# Altium PCB MiniPC.PcbDoc (part 8 of 23) (continued)
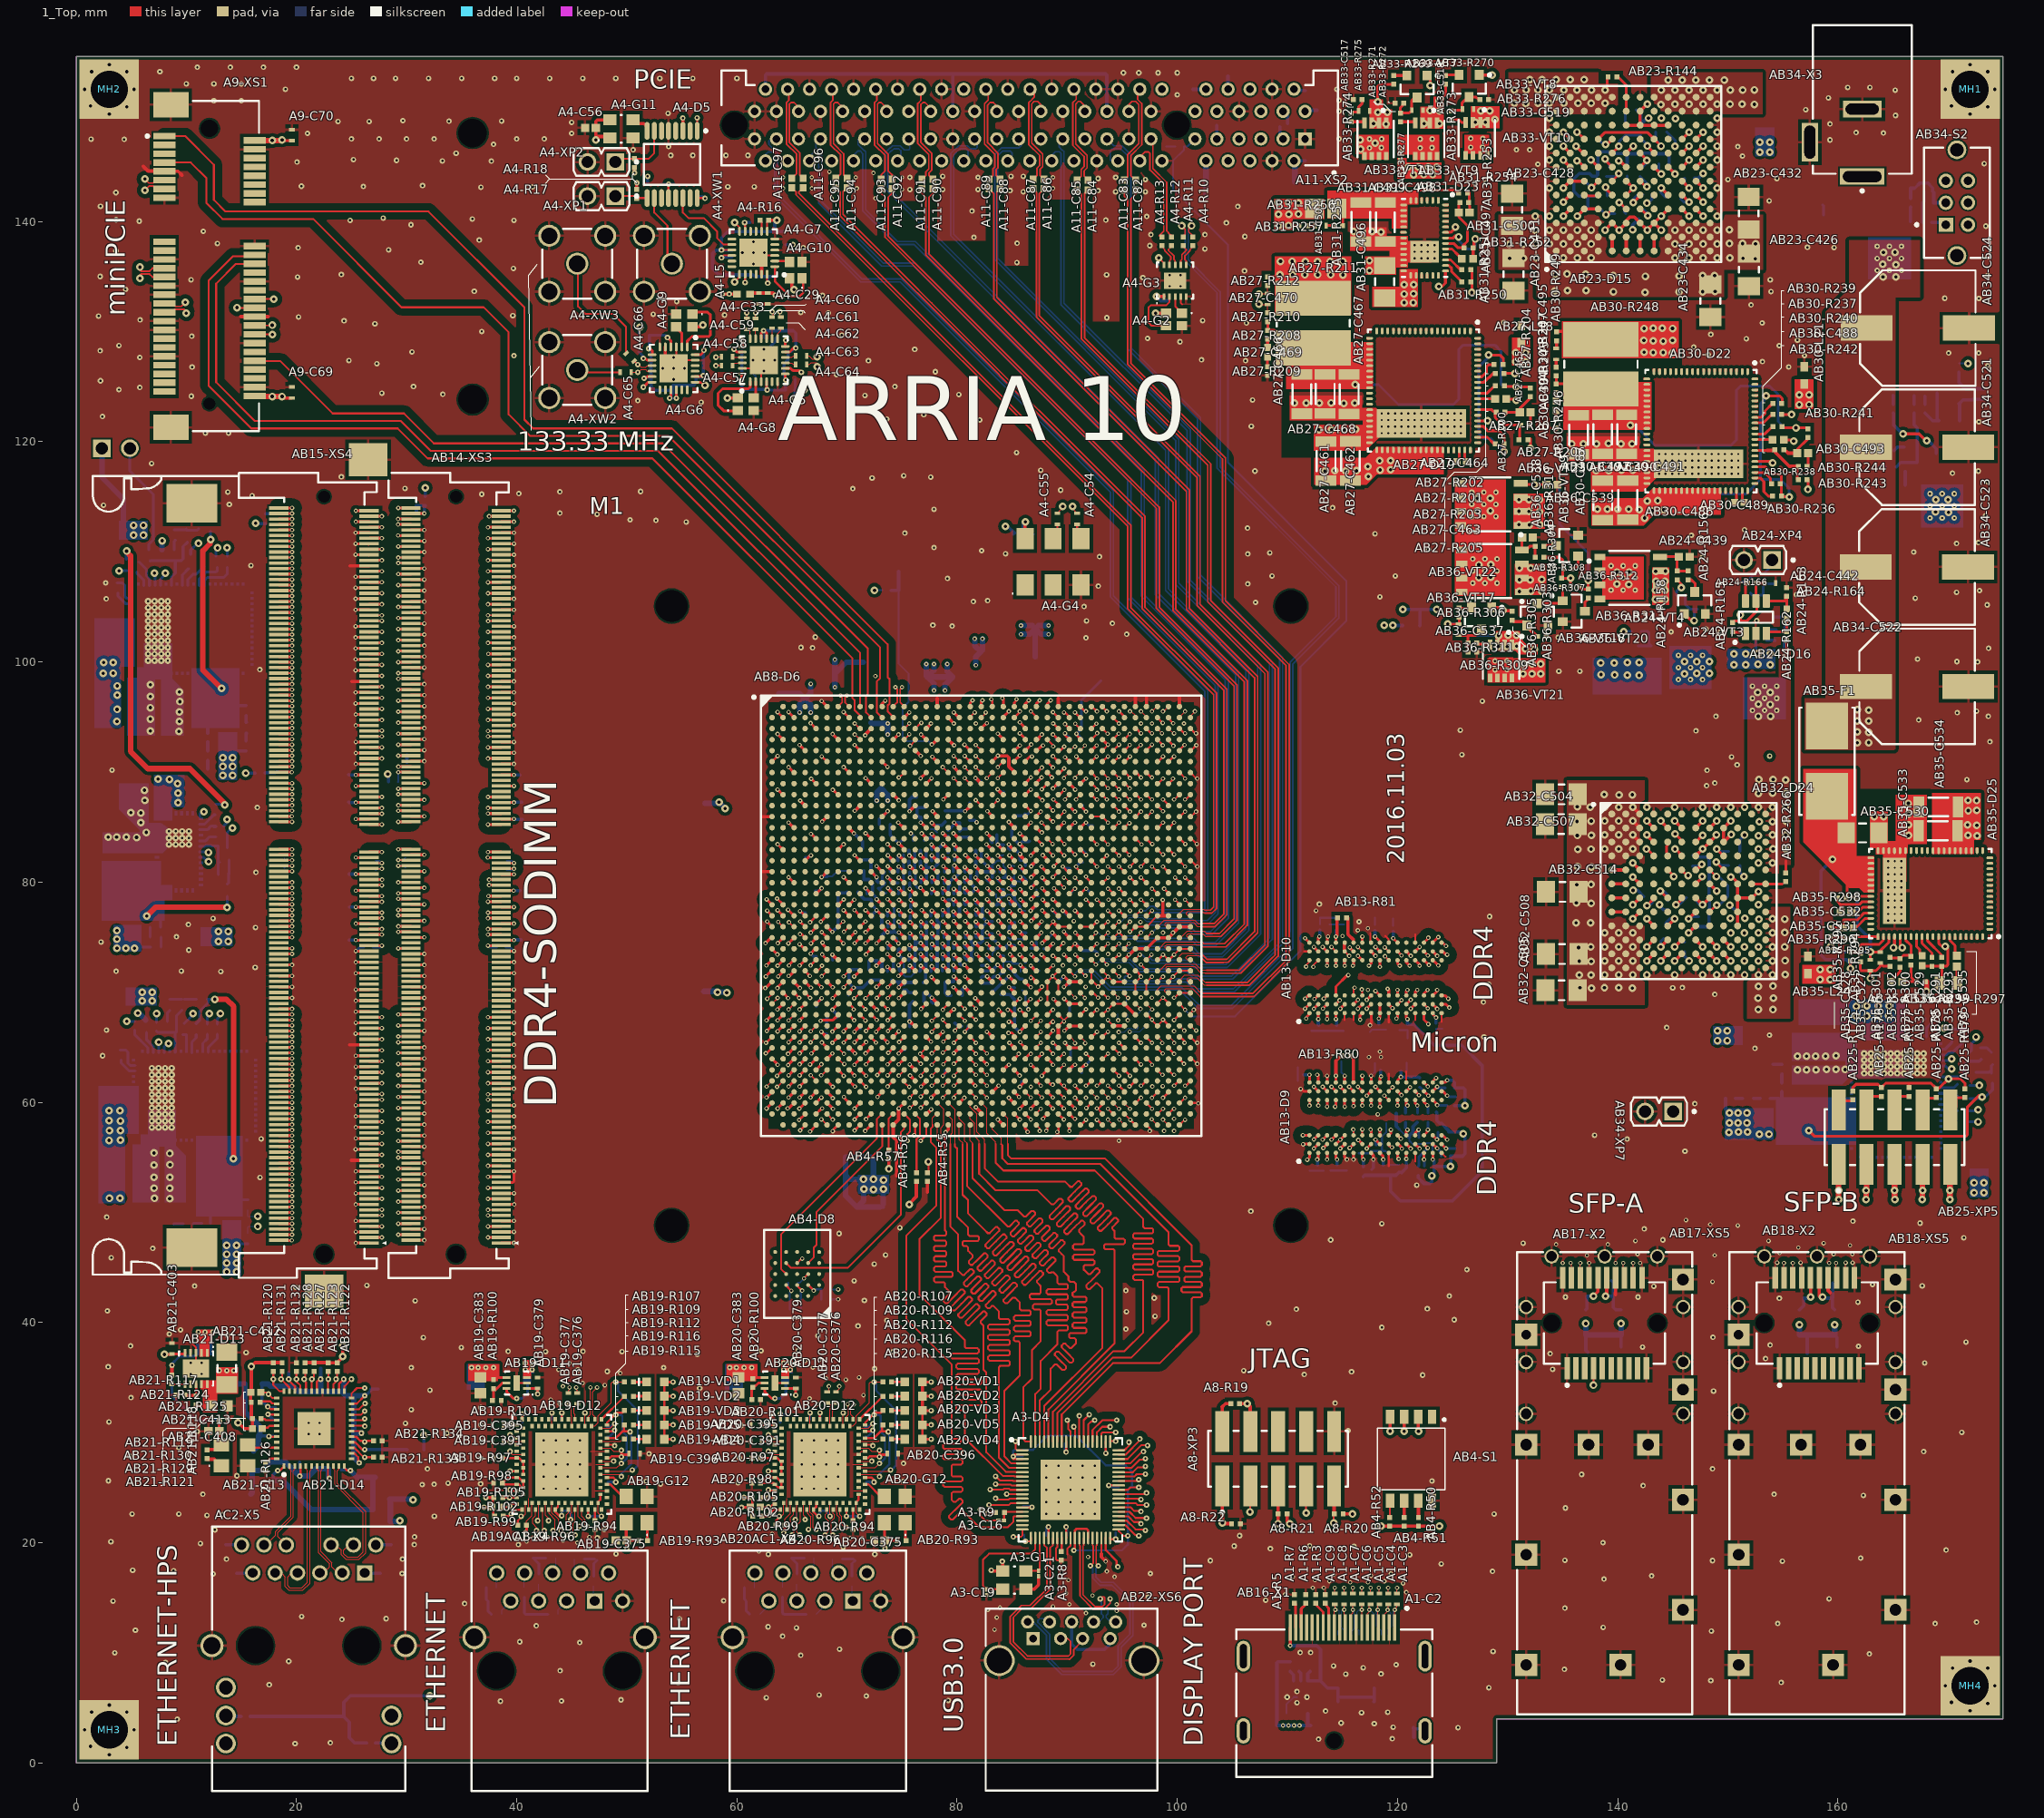
[diagram p0: 1_Top view]
## Nets (pads, with @x,y where several pads share a name; then routed paths per layer and width w, separated by ;. In a path a pad name is that pad's centre, name@x,y a point inside that pad or via, vN(x,y) a via of type N, cw(c..) or ccw(c..) an arc to the next point about the centre after c; other vN are vias at no path point) (continued)
  other v2: 156.47,123.36 157.37,123.36 156.47,124.26 157.37,124.26
AGND4: AB29-C481.1 AB29-D21.26 AB29-D21.32 AB29-L20.2 AB29-R230.1 | length 4.2
  16_Bottom w0.17: AB29-D21.26@11.225,85.75 11.225,86.225 11.4,86.4 v2(11.6,86.4)
  16_Bottom w0.25: AB29-D21.32@11.225,82.75 12.05,82.75 12.2,82.6 12.175,82.575 12.05,82.7 v2(12,82.7) ; AB29-R230.1@13.7,83.1 AB29-C481.1@13.7,84 ; AB29-C481.1@13.71,84.1 13.71,84.51 14.1,84.9 v2(14.2,84.9)
  other v2: 12.9,74.6 13.8,74.6 12.9,75.5 13.8,75.5
AGND5: AB28-C473.1 AB28-D20.53 AB28-L19.2 AB28-R214.2 AB28-R220.1 AB28-XP6.1 | length 12.7
  16_Bottom w0.25: AB28-D20.53@7.65,106.91 7.65,107.51 8.1,107.96 v2(8.1,108.06) ; AB28-C473.1@10.4,109.77 10.4,110.16 11,110.76 v2(11.1,110.76) ; AB28-R214.2@12.7,109.61 12.7,110.36 12.825,110.235 v2(12.825,110.35)
  16_Bottom w0.5: AB28-XP6.1@2.33,119.4 2.33,116.77 4.275,114.825 AB28-L19.2@4.275,112 ; AB28-R220.1@7.8,110.2 v2(7.8,111)
  other v2: 5.2,111.5 6.1,111.5 5.2,112.4 6.1,112.4
AGND6: AB27-C463.1 AB27-D19.61 AB27-L18.2 AB27-R201.2 AB27-R206.2 | length 3.7
  1_Top w0.25: AB27-D19.61@127.265,121.895 v2(128.165,121.895) ; AB27-R201.2@129.715,126.195 v2(130.665,126.195) ; AB27-C463.1@129.875,123.87 130.665,123.87 v2(130.765,123.77) ; v2(132.065,119.37) 132.09,119.395 132.09,120.27
  other v2: 130.74,127.26 131.64,127.26 130.74,128.06 131.64,128.06
AGND7: AB26-C454.1 AB26-D18.53 AB26-L17.2 AB26-R186.2 AB26-R193.1 | length 4.2
  16_Bottom w0.25: AB26-R193.1@7.295,67.25 v2(7.295,68.05) ; AB26-D18.53@8,64.5 7.995,64.505 7.995,65.066 8.12,65.191 8.12,65.275 8.195,65.35 8.22,65.325 v2(8.37,65.325) ; AB26-C454.1@9.795,67.16 10.595,67.96 v2(10.595,68.05) ; AB26-R186.2@11.895,67.1 11.895,67.75 12.095,67.95 v2(12.095,68.05)
  other v2: 6,69.2 6.9,69.2 6,70 6.9,70
AGND8: AB25-C445.1 AB25-D17.53 AB25-L16.2 AB25-R169.2 AB25-R172.1 AB25-XP5.1 AB25-XP5.3 AB25-XP5.5 AB25-XP5.7 AB25-XP5.9 | length 21.3
  1_Top w0.5: AB25-XP5.1@160.055,54.355 160.055,51.885 v2@160.06,51.89 ; v2(160.06,51.18) v2@160.06,51.89 ; v2(160.06,51.985) v2@160.06,51.89 ; v2(162.56,51.18) v2@162.56,51.85 ; v2(162.56,51.98) v2@162.56,51.85 ; AB25-XP5.3@162.595,54.355 162.595,51.815 v2@162.56,51.85 ; AB25-XP5.5@165.135,54.355 v2(165.135,51.98) 165.135,51.205 v2(165.16,51.18) ; v2(167.66,51.18) 167.675,51.195 v2(167.675,51.98) AB25-XP5.7@167.675,54.355 ; v2(170.16,51.18) v2(170.16,51.98) 170.16,54.3 AB25-XP5.9@170.215,54.355
  16_Bottom w0.25: AB25-D17.53@169.185,63.306 169.759,63.306 170.035,63.03 v2(170.335,63.03) ; AB25-R169.2@171.785,59.23 172.635,59.23 v2(172.735,59.33) ; AB25-R172.1@171.935,64.53 172.135,64.73 172.135,65.33 172.735,65.93 v2(172.535,65.93) ; AB25-C445.1@171.945,61.53 v2(172.835,61.53)
  other v2: 172.36,51.78 173.26,51.78 172.36,52.68 173.26,52.68
aux_12V: A11-C71.2 A11-C72.2 A11-C74.2 A11-C75.2 A11-C76.2 A11-C77.2 A11-XS2.A2 A11-XS2.A3 A11-XS2.B1 A11-XS2.B2 A11-XS2.B3 AB34-VT16.5 AB34-VT16.6 AB34-VT16.7 AB34-VT16.8 | length 7.7
  16_Bottom w0.3: A11-C72.2@109.3,148.6 109.3,147.8 A11-XS2.A3@109.6,147.5 ; A11-XS2.B3@109.6,150 110,149.6 A11-C74.2@110,148.9 ; A11-C71.2@110.6,143.675 A11-C71.2@110.675,143.6 ; A11-XS2.A2@110.6,145.5 A11-C76.2@111.6,145.5 ; A11-XS2.B2@110.6,152 110.7,151.9 A11-C77.2@111.6,151.9 ; A11-XS2.B1@111.6,150 111.7,150.1 A11-C75.2@112.7,150.1
  16_Bottom w0.5: A11-XS2.A2@110.6,145.5 110.675,145.425 A11-C71.2@110.675,143.6
  other v2: 170.03,113.59 168.86,113.63 168.89,114.74 170.01,114.74
  other v5: 168.36,113.065 169.46,113.065 170.56,113.065 168.36,114.165 169.46,114.165 170.56,114.165 168.36,115.265 169.46,115.265 170.56,115.265
AUX_N: AB16-X1.17
AUX_P: AB16-X1.15
CLK: AB8-D6.G19 AB21-D14.36 AB21-R120.1 | length 169.7
  1_Top w0.15: v1(80.694,90.439) AB8-D6.G19@81.194,89.939
  1_Top w0.17: AB21-R120.1@17.9,35.55 v3(17.9,34.85) 17.9,34.325 18.45,33.775 AB21-D14.36@18.862,33.775
  7_int6_(sign) w0.1: v3(17.9,34.85) 17.7,35.05 17.7,36.996 18.162,37.458 18.161,37.652 17.498,38.316 17.498,38.511 17.692,38.705 17.886,38.705 18.55,38.041 18.745,38.041 18.939,38.236 18.939,38.43 18.275,39.094 18.275,39.289 18.47,39.483 18.664,39.483 19.328,38.819 19.523,38.819 19.717,39.014 19.717,39.208 19.053,39.872 19.053,40.066 19.248,40.261 19.442,40.261 20.106,39.597 20.3,39.597 21,40.296 21,115.275 24.255,118.53 58.246,118.53 75.4,101.376 75.4,96.1 75.2,95.9 75.2,92.1 76.325,90.975 80.158,90.975 v1(80.694,90.439)
CLK_DIFF1_N: A4-G3.7 A4-R11.1 | length 2
  1_Top w0.15: A4-G3.7@100.3,136.055 100.3,136.43 100.415,136.545 100.415,136.979 100.8,137.364 100.8,137.45 A4-R11.1@100.55,137.7
CLK_DIFF1_P: A4-G3.6 A4-R10.1 | length 2
  1_Top w0.15: A4-G3.6@100.8,136.055 100.8,136.43 100.685,136.545 100.685,136.867 101.15,137.332 101.15,137.45 A4-R10.1@101.4,137.7
CLK_DIFF2_N: A4-G3.9 A4-R13.1 | length 2
  1_Top w0.15: A4-R13.1@98.6,137.7 98.85,137.45 98.85,137.332 99.415,136.767 99.415,136.545 99.3,136.43 A4-G3.9@99.3,136.055
CLK_DIFF2_P: A4-G3.8 A4-R12.1 | length 2
  1_Top w0.15: A4-R12.1@99.45,137.7 99.2,137.45 99.2,137.364 99.685,136.879 99.685,136.545 99.8,136.43 A4-G3.8@99.8,136.055
CLK_ENET_FPGA_N: A4-C57.2 AB8-D6.AG28 | length 81.2
  1_Top w0.1: v3@58.3,126.99 58.39,126.9 A4-C57.2@58.6,126.9 ; AB8-D6.AG28@90.194,69.939 90.261,69.939 v1(90.7,69.5)
  10_int9_(sign) w0.09: v3(58.1,126.9) 58.4,127.2 58.66,127.2 59.36,126.5 59.36,124.511 60.561,123.31 64.006,123.31 68.516,118.8 74.26,118.8 80.65,112.41 80.65,94.25 83.109,91.791 83.109,89.375 83.093,89.375 83.09,89.372 83.09,86.573 83.095,86.568 83.095,78.155 83.48,77.77 87.868,77.77 88.085,77.553 88.085,77.238 88.498,76.825 88.965,76.825 90.05,75.74 90.05,70.93 91.03,69.95 91.03,69.83 v1(90.7,69.5)
CLK_ENET_FPGA_P: A4-C58.2 AB8-D6.AG29 | length 81.7
  1_Top w0.1: v3(58.1,127.669) 58.239,127.669 58.269,127.7 A4-C58.2@58.6,127.7 ; AB8-D6.AG29@91.194,69.939 91.194,69.906 91.604,69.496 v1(91.604,69.478)
  10_int9_(sign) w0.09: v3(58.1,127.669) 58.329,127.44 58.759,127.44 59.6,126.599 59.6,124.61 60.66,123.55 64.105,123.55 68.615,119.04 74.359,119.04 80.89,112.509 80.89,94.349 83.349,91.89 83.349,89.276 83.33,89.257 83.33,88.282 83.335,88.277 83.335,78.254 83.579,78.01 87.967,78.01 88.325,77.652 88.325,77.337 88.597,77.065 89.064,77.065 90.29,75.839 90.29,71.029 91.27,70.049 91.27,69.83 91.604,69.496 v1(91.604,69.478)
CLOCK_I2C_SCL: A4-G5.12 A4-G6.12 A4-G7.12 | length 29.8
  1_Top w0.17: v2(59.8,139.9) 60.245,139.455 A4-G7.12@60.245,139.1
  1_Top w0.25: v3(51.5,124.95) 51.5,125.05 51.6,125.05 51.675,125.125 51.95,125.4 A4-G6.12@52.3,125.4 ; A4-G5.12@64.4,128.65 64.4,129.15 v3(64.45,129.2)
  7_int6_(sign) w0.15: v3(51.5,124.95) 51.8,124.95 52.4,125.55 52.4,127.13 54.51,129.24 57.94,129.24 59.4,130.7 62.4,130.7 ; v2(59.8,139.9) 59.9,139.8 59.9,136.26 62.4,133.76 62.4,130.7 ; v3(64.45,129.2) 62.95,130.7 62.4,130.7
CLOCK_I2C_SDA: A4-G5.19 A4-G6.19 A4-G7.19 | length 14.5
  1_Top w0.17: 56.7,125.4 57,125.1 v2(57.1,125.1) ; v2(59.8,134.5) 60.245,134.945 A4-G7.19@60.245,135.2
  1_Top w0.25: A4-G6.19@56.2,125.4 56.7,125.4 ; v3(60.45,129.2) 60.5,129.15 A4-G5.19@60.5,128.65
  5_int4_(sign) w0.15: v2(59.8,134.5) 60,134.3 60,130.7 60.45,130.25 v3(60.45,129.2)
  7_int6_(sign) w0.15: v2(57.1,125.1) 57.7,125.1 58.9,126.3 58.9,128.7 59.4,129.2 v3(60.45,129.2)
COMP01: AB32-C506.2 AB32-D24.E8 AB32-D24.H8 | length 5.7
  1_Top w0.25: AB32-D24.H8@148.345,77.29 148.345,77.3 148.96,77.915 v2(148.99,77.915) ; AB32-D24.E8@148.345,81.1 148.93,80.515 v2(148.96,80.515)
  16_Bottom w0.25: v2(148.96,80.515) 148.98,80.495 v2@148.99,80.495 ; v2(148.99,77.915) 148.99,77.82 v2@149.165,77.995
  16_Bottom w0.254: v2@148.99,80.495 149.09,80.595 149.99,79.695 149.99,78.695 149.29,77.995 v2@149.165,77.995
COMP02: AB23-C427.2 AB23-C430.2 AB23-D15.E8 AB23-D15.H8 | length 5.8
  1_Top w0.25: AB23-D15.E8@139.495,146.205 140.08,146.79 v2(140.08,146.82) ; v2(142.68,146.85) 142.68,146.82 143.295,146.205 AB23-D15.H8@143.305,146.205
  16_Bottom w0.25: v2(140.08,146.82) 140.1,146.84 v2@140.1,147.025 ; v2@142.6,147.025 142.775,146.85 v2(142.68,146.85)
  16_Bottom w0.254: v2@140.1,147.025 140.1,147.225 AB23-C427.2@140.7,147.825 142.08,147.825 AB23-C430.2@142.1,147.845 142.1,147.525 v2@142.6,147.025
Core_0V9: AB1-C98.2 AB1-C99.2 AB1-C100.2 AB1-C101.2 AB1-C102.2 AB1-C103.2 AB1-C104.2 AB1-C105.2 AB1-C106.2 AB1-C107.2 AB1-C110.2 AB1-C111.2 AB1-C112.2 AB1-C113.2 AB1-C114.2 AB1-C115.2 AB1-C116.2 AB1-C117.2 AB1-C120.2 AB1-C121.2 AB1-C122.2 AB1-C123.2 AB1-C124.2 AB1-C125.2 AB1-C126.2 AB1-C127.2 AB1-C128.2 AB1-C129.2 AB1-C132.2 AB1-C133.2 AB1-C134.2 AB1-C135.2 AB1-C136.2 AB1-C137.2 AB1-C138.2 AB1-C139.2 AB1-C140.2 AB1-C141.2 AB1-C144.2 AB1-C145.2 AB1-C146.2 AB1-C147.2 AB1-C148.2 AB1-C149.2 AB1-C150.2 AB1-C151.2 AB1-C152.2 AB1-C153.2 AB1-C156.2 AB1-C157.2 AB1-C158.2 AB1-C159.2 AB1-C160.2 AB1-C161.2 AB1-C162.2 AB1-C163.2 AB1-C164.2 AB1-C165.2 AB1-C167.2 AB1-C168.2 AB1-C169.2 AB1-C170.2 AB1-C171.2 AB1-C172.2 AB1-C173.2 AB1-C174.2 AB1-C175.2 AB1-C176.2 AB1-C178.2 AB1-C179.2 AB1-C180.2 AB1-C181.2 AB1-C182.2 AB1-C183.2 AB1-C184.2 AB1-C185.2 AB1-C186.2 AB1-C187.2 AB1-C188.2 AB1-C189.2 AB1-C190.2 AB1-C191.2 AB1-C192.2 AB1-C193.2 AB1-C194.2 AB1-C195.2 AB1-C196.2 AB1-C197.2 AB1-C198.2 AB1-C199.2 AB1-C200.2 AB1-C201.2 AB1-C202.2 AB1-C203.2 AB1-C204.2 AB1-C205.2 AB1-C206.2 AB1-C207.2 AB1-C208.2 AB1-C209.2 AB1-C210.2 AB1-C211.2 AB1-C212.2 AB1-C213.2 AB1-C214.2 AB1-C215.2 AB1-C216.2 AB1-C217.2 AB1-C218.2 AB1-C219.2 AB1-C220.2 AB1-C221.2 AB1-C222.2 AB1-C223.2 AB1-C224.2 AB1-C225.2 AB1-C226.2 AB1-C227.2 AB1-C228.2 AB1-C229.2 AB8-D6.AA12 AB8-D6.AA13 AB8-D6.AA14 AB8-D6.AA15 AB8-D6.AA16 AB8-D6.AA20 AB8-D6.AA22 AB8-D6.AA23 AB8-D6.AA24 AB8-D6.AA25 AB8-D6.AB12 AB8-D6.AB15 AB8-D6.AB16 AB8-D6.AB17 AB8-D6.AB19 AB8-D6.AB20 AB8-D6.AB21 AB8-D6.AB22 AB8-D6.AB24 AB8-D6.AB25 AB8-D6.AC12 AB8-D6.AC13 AB8-D6.AC18 AB8-D6.AC23 AB8-D6.AC24 AB8-D6.AC26 AB8-D6.AD13 AB8-D6.AD14 AB8-D6.AD15 AB8-D6.AD16 AB8-D6.AD17 AB8-D6.AD18 AB8-D6.AD19 AB8-D6.AD20 AB8-D6.AD21 AB8-D6.AD22 AB8-D6.AD23 AB8-D6.AD24 AB8-D6.AD25 AB8-D6.AE12 AB8-D6.AE13 AB8-D6.AE14 AB8-D6.AE15 AB8-D6.AE16 AB8-D6.AE17 AB8-D6.AE21 AB8-D6.AE22 AB8-D6.AE25 AB8-D6.AF21 AB8-D6.AF22 AB8-D6.P21 AB8-D6.P23 AB8-D6.R12 AB8-D6.R13 AB8-D6.R14 AB8-D6.R15 AB8-D6.R16 AB8-D6.R17 AB8-D6.R20 AB8-D6.R21 AB8-D6.R22 AB8-D6.R23 AB8-D6.R25 AB8-D6.T12 AB8-D6.T13 AB8-D6.T14 AB8-D6.T15 AB8-D6.T17 AB8-D6.T18 AB8-D6.T19 AB8-D6.T20 AB8-D6.T22 AB8-D6.T23 AB8-D6.T24 AB8-D6.T25 AB8-D6.U12 AB8-D6.U14 AB8-D6.U19 AB8-D6.U24 AB8-D6.U25 AB8-D6.U26 AB8-D6.V12 AB8-D6.V13 AB8-D6.V14 AB8-D6.V16 AB8-D6.V17 AB8-D6.V18 AB8-D6.V19 AB8-D6.V21 AB8-D6.V22 AB8-D6.V23 AB8-D6.V24 AB8-D6.W13 AB8-D6.W14 AB8-D6.W20 AB8-D6.W21 AB8-D6.W23 AB8-D6.W24 AB8-D6.W25 AB8-D6.Y14 AB8-D6.Y16 AB8-D6.Y17 AB8-D6.Y20 AB8-D6.Y25 AB32-C504.2 AB32-C505.2 AB32-C507.2 AB32-C508.2 AB32-C509.2 AB32-C510.2 AB32-C511.1 AB32-C512.2 AB32-C513.1 AB32-C514.2 AB32-C515.1 AB32-C516.1 AB32-D24.A1 AB32-D24.A2 AB32-D24.A3 AB32-D24.B1 AB32-D24.B2 AB32-D24.B3 AB32-D24.C1 AB32-D24.C2 AB32-D24.C3 AB32-D24.D1 AB32-D24.D2 AB32-D24.D3 AB32-D24.J1 AB32-D24.J2 AB32-D24.J3 AB32-D24.K1 AB32-D24.K2 AB32-D24.K3 AB32-D24.L1 AB32-D24.L2 AB32-D24.L3 AB32-D24.M1 AB32-D24.M2 AB32-D24.M3 | length 191.1
  1_Top w0.25: AB8-D6.AB12@74.194,74.939 74.679,74.455 v1(74.679,74.429) ; v1(74.7,81.4) 74.733,81.4 AB8-D6.T13@75.194,80.939
  1_Top w0.3: v1(73.675,80.425) 73.708,80.425 AB8-D6.U12@74.194,79.939 ; v1(73.679,72.304) 73.721,72.304 74.086,71.939 AB8-D6.AE12@74.194,71.939 ; v1@73.68,74.454 AB8-D6.AC12@74.194,73.939 ; v1(73.7,81.425) 74.186,80.939 AB8-D6.T12@74.194,80.939 ; v1(73.704,76.379) 73.771,76.379 74.194,75.956 AB8-D6.AA12@74.194,75.939 ; v1(73.708,82.425) AB8-D6.R12@74.194,81.939 ; v1(73.725,79.45) 73.725,79.408 AB8-D6.V12@74.194,78.939 ; v1(74.679,71.478) 74.733,71.478 AB8-D6.AE13@75.194,71.939 ; v1(74.679,72.454) 74.708,72.454 AB8-D6.AD13@75.194,72.939 ; v1(74.7,76.4) 74.733,76.4 AB8-D6.AA13@75.194,75.939 ; v1(74.704,79.429) AB8-D6.V13@75.194,78.939 ; v1@74.721,73.404 v1(74.679,73.404) 74.679,73.424 AB8-D6.AC13@75.194,73.939 ; v1(74.725,78.375) 74.758,78.375 AB8-D6.W13@75.194,77.939 ; v1(74.729,82.404) AB8-D6.R13@75.194,81.939 ; v1(75.665,82.4) 75.733,82.4 AB8-D6.R14@76.194,81.939 ; v1(75.679,73.354) 75.721,73.354 76.136,72.939 AB8-D6.AD14@76.194,72.939 ; v1(75.7,79.375) 76.136,78.939 AB8-D6.V14@76.194,78.939 ; v1(75.704,72.404) 75.73,72.404 AB8-D6.AE14@76.194,71.939 ; v1(75.704,81.379) 75.754,81.379 AB8-D6.T14@76.194,80.939 ; v1(75.725,76.35) 75.75,76.35 76.161,75.939 AB8-D6.AA14@76.194,75.939 ; v1(75.725,77.4) 75.733,77.4 AB8-D6.Y14@76.194,76.939 ; v1(75.725,80.4) 75.733,80.4 AB8-D6.U14@76.194,79.939 ; v1(75.775,78.375) 75.775,78.358 AB8-D6.W14@76.194,77.939 ; v1(76.675,82.45) 76.683,82.45 AB8-D6.R15@77.194,81.939 ; v1(76.7,73.45) 76.7,73.433 AB8-D6.AD15@77.194,72.939 ; v1(76.704,72.404) 76.73,72.404 AB8-D6.AE15@77.194,71.939 ; v1(76.725,75.4) 77.186,74.939 AB8-D6.AB15@77.194,74.939 ; v1(76.725,76.4) 77.186,75.939 AB8-D6.AA15@77.194,75.939 ; v1(76.729,81.379) 76.746,81.379 77.186,80.939 AB8-D6.T15@77.194,80.939 ; v1(77.675,73.4) 78.136,72.939 AB8-D6.AD16@78.194,72.939 ; v1(77.675,76.4) 78.136,75.939 AB8-D6.AA16@78.194,75.939 ; v1(77.7,72.35) 78.111,71.939 AB8-D6.AE16@78.194,71.939 ; v1(77.7,77.4) 77.733,77.4 AB8-D6.Y16@78.194,76.939 ; v1(77.7,82.425) 78.186,81.939 AB8-D6.R16@78.194,81.939 ; v1(77.725,75.325) 78.111,74.939 AB8-D6.AB16@78.194,74.939 ; v1(77.725,79.375) 78.161,78.939 AB8-D6.V16@78.194,78.939 ; v1(78.7,77.45) 79.194,76.956 AB8-D6.Y17@79.194,76.939 ; v1(78.7,79.425) 78.708,79.425 AB8-D6.V17@79.194,78.939 ; v1(78.7,82.375) 79.136,81.939 AB8-D6.R17@79.194,81.939 ; v1(78.704,73.454) 78.721,73.454 79.194,72.981 AB8-D6.AD17@79.194,72.939 ; v1(78.725,75.475) 78.75,75.475 79.194,75.031 AB8-D6.AB17@79.194,74.939 ; v1(78.729,72.404) 78.746,72.404 79.194,71.956 AB8-D6.AE17@79.194,71.939 ; v1(78.75,81.45) 79.194,81.006 AB8-D6.T17@79.194,80.939 ; v1(79.704,73.379) 79.721,73.379 80.161,72.939 AB8-D6.AD18@80.194,72.939 ; v1(79.704,79.379) 79.746,79.379 80.186,78.939 AB8-D6.V18@80.194,78.939 ; v1(79.75,74.475) 80.194,74.031 AB8-D6.AC18@80.194,73.939 ; v1(79.75,81.5) 80.194,81.056 AB8-D6.T18@80.194,80.939 ; v1(80.679,73.504) 80.696,73.504 81.194,73.006 AB8-D6.AD19@81.194,72.939 ; v1(80.7,79.45) 80.7,79.433 AB8-D6.V19@81.194,78.939 ; v1(80.7,80.4) 81.161,79.939 AB8-D6.U19@81.194,79.939 ; v1(80.7,81.35) 81.111,80.939 AB8-D6.T19@81.194,80.939 ; v1(80.775,75.4) 80.775,75.358 AB8-D6.AB19@81.194,74.939 ; v1(81.65,78.4) 82.111,77.939 AB8-D6.W20@82.194,77.939 ; v1(81.675,75.425) 81.708,75.425 AB8-D6.AB20@82.194,74.939 ; v1(81.675,81.425) 82.161,80.939 AB8-D6.T20@82.194,80.939 ; v1(81.675,82.4) 82.136,81.939 AB8-D6.R20@82.194,81.939 ; v1(81.7,76.4) 82.161,75.939 AB8-D6.AA20@82.194,75.939 ; v1(81.725,77.475) 81.725,77.408 AB8-D6.Y20@82.194,76.939 ; v1(81.75,73.45) 82.194,73.006 AB8-D6.AD20@82.194,72.939 ; v1(82.675,82.4) 82.675,82.375 83.111,81.939 AB8-D6.R21@83.194,81.939 ; v1(82.675,83.425) 82.708,83.425 AB8-D6.P21@83.194,82.939 ; v1(82.7,73.4) 82.733,73.4 AB8-D6.AD21@83.194,72.939 ; v1(82.725,71.425) 82.725,71.408 AB8-D6.AF21@83.194,70.939 ; v1(82.725,72.4) 82.733,72.4 AB8-D6.AE21@83.194,71.939 ; v1(82.725,75.4) 82.733,75.4 AB8-D6.AB21@83.194,74.939 ; v1(82.725,78.425) 82.725,78.375 83.161,77.939 AB8-D6.W21@83.194,77.939 ; v1(82.75,79.425) 82.75,79.383 AB8-D6.V21@83.194,78.939 ; v1(83.679,72.479) 83.721,72.479 84.194,72.006 AB8-D6.AE22@84.194,71.939 ; v1(83.7,71.425) 83.708,71.425 AB8-D6.AF22@84.194,70.939 ; v1(83.7,82.4) 83.733,82.4 AB8-D6.R22@84.194,81.939 ; v1(83.704,79.429) 83.704,79.396 84.161,78.939 AB8-D6.V22@84.194,78.939 ; v1(83.725,73.425) 84.194,72.956 AB8-D6.AD22@84.194,72.939 ; v1(83.725,75.4) 84.186,74.939 AB8-D6.AB22@84.194,74.939 ; v1(83.725,81.375) 84.161,80.939 AB8-D6.T22@84.194,80.939 ; v1(83.75,76.475) 84.194,76.031 AB8-D6.AA22@84.194,75.939 ; v1(84.7,83.425) 84.7,83.375 85.136,82.939 AB8-D6.P23@85.194,82.939 ; v1(84.704,79.429) 84.771,79.429 85.194,79.006 AB8-D6.V23@85.194,78.939 ; v1(84.725,76.475) 85.194,76.006 AB8-D6.AA23@85.194,75.939 ; v1(84.725,78.475) 85.194,78.006 AB8-D6.W23@85.194,77.939 ; v1(84.729,74.429) 84.729,74.404 AB8-D6.AC23@85.194,73.939 ; v1(84.75,81.45) 84.75,81.383 AB8-D6.T23@85.194,80.939 ; v1(84.75,82.425) 85.194,81.981 AB8-D6.R23@85.194,81.939 ; v1(84.8,73.425) 85.194,73.031 AB8-D6.AD23@85.194,72.939 ; v1(85.675,75.475) 85.675,75.458 AB8-D6.AB24@86.194,74.939 ; v1(85.7,73.4) 86.161,72.939 AB8-D6.AD24@86.194,72.939 ; v1(85.7,74.45) 85.7,74.433 AB8-D6.AC24@86.194,73.939 ; v1(85.725,76.425) 86.194,75.956 AB8-D6.AA24@86.194,75.939 ; v1(85.725,79.35) 85.725,79.3 86.086,78.939 AB8-D6.V24@86.194,78.939 ; v1(85.725,80.45) 85.725,80.408 AB8-D6.U24@86.194,79.939 ; v1(85.725,81.4) 85.733,81.4 AB8-D6.T24@86.194,80.939 ; v1(85.754,78.404) 85.771,78.404 86.194,77.981 AB8-D6.W24@86.194,77.939 ; v1(86.675,77.4) 86.675,77.42 AB8-D6.W25@87.194,77.939 ; v1(86.7,72.4) 87.161,71.939 AB8-D6.AE25@87.194,71.939 ; v1(86.725,76.475) 86.73,76.475 AB8-D6.Y25@87.194,76.939 ; v1(86.725,79.475) 86.73,79.475 AB8-D6.U25@87.194,79.939 ; v1(86.725,80.425) 87.194,80.894 AB8-D6.T25@87.194,80.939 ; v1(86.725,81.425) 86.725,81.47 AB8-D6.R25@87.194,81.939 ; v1(86.733,73.4) AB8-D6.AD25@87.194,72.939 ; AB8-D6.AB25@87.194,74.939 87.65,75.395 v1(87.65,75.4) ; AB8-D6.AA25@87.194,75.939 87.194,75.944 v1(87.675,76.425) ; v1(87.733,80.4) AB8-D6.U26@88.194,79.939 ; AB8-D6.AC26@88.194,73.939 88.655,74.4 v1(88.7,74.4) ; v2(141.36,84.275) AB32-D24.C3@141.995,83.64 ; v2(141.36,85.545) AB32-D24.B3@141.995,84.91 ; v2(141.36,86.815) AB32-D24.A3@141.995,86.18 ; AB32-D24.D3@141.815,82.37 AB32-D24.D3@141.995,82.37
  16_Bottom w0.17: v1(82.675,82.4) 82.915,82.16 AB1-C134.2@83.2,82.16 ; v1(83.7,82.4) 84.14,82.4 AB1-C117.2@84.2,82.46 ; v1(84.75,81.45) 85.19,81.45 AB1-C160.2@85.2,81.46
  16_Bottom w0.3: AB1-C167.2@73,50.475 AB1-C167.2@73.3,50.475 AB1-C167.2@73.3,50.75 ; v1(73.675,80.425) 73.745,80.425 73.985,80.185 AB1-C210.2@73.985,79.95 74.01,79.925 AB1-C211.2@74.615,79.925 ; v1(73.679,72.304) 73.685,72.297 AB1-C152.2@73.685,71.875 ; v1(73.679,74.454) 73.71,74.422 AB1-C98.2@73.71,73.95 ; v1(73.7,81.425) 73.935,81.19 AB1-C197.2@73.935,80.95 ; v1(73.704,76.379) 73.71,76.372 AB1-C206.2@73.71,75.925 ; v1@73.708,82.492 v1(73.708,82.425) 73.708,82.356 73.96,82.104 AB1-C184.2@73.96,81.925 ; v1(73.725,79.45) 73.845,79.45 74.06,79.235 AB1-C200.2@74.06,78.975 ; AB1-C224.2@74.485,74.908 74.485,74.622 v1(74.679,74.429) ; AB1-C185.2@74.615,81.925 74.615,82.29 v1(74.729,82.404) ; AB1-C207.2@74.64,80.925 74.64,81.34 v1(74.7,81.4) ; AB1-C182.2@74.665,78.925 74.704,78.964 v1(74.704,79.429) ; v1(74.679,72.454) 74.75,72.382 74.75,71.96 AB1-C204.2@74.785,71.925 ; v1(74.7,76.4) 74.785,76.315 AB1-C183.2@74.785,75.95 ; AB1-C203.2@74.735,73.95 74.679,73.894 v1(74.679,73.404) 74.997,73.085 AB1-C151.2@75.15,73.085 ; AB1-C153.2@75.59,71.875 75.67,71.955 75.67,72.37 v1(75.704,72.404) ; AB1-C172.2@75.615,72.9 75.679,72.964 v1(75.679,73.354) ; AB1-C209.2@75.64,81.9 75.64,81.443 v1(75.704,81.379) ; AB1-C201.2@75.64,82.9 75.64,82.425 v1(75.665,82.4) ; AB1-C212.2@75.69,79.9 75.69,79.385 v1(75.7,79.375) ; AB1-C164.2@75.69,80.9 75.69,80.435 v1(75.725,80.4) ; v1(75.725,76.35) 75.74,76.365 AB1-C223.2@75.74,76.9 ; v1(75.725,77.4) 75.79,77.465 AB1-C214.2@75.79,77.925 ; AB1-C213.2@75.74,78.9 75.74,78.41 v1(75.775,78.375) ; AB1-C191.2@76.615,71.9 76.695,71.98 76.695,72.395 v1(76.704,72.404) ; AB1-C173.2@76.64,72.925 76.7,72.985 v1(76.7,73.45) ; AB1-C165.2@76.665,81.9 76.665,81.443 v1(76.729,81.379) ; AB1-C222.2@76.665,82.9 76.665,82.46 v1(76.675,82.45) ; AB1-C171.2@76.715,74.925 76.725,74.935 v1(76.725,75.4) ; v1(76.725,76.4) 76.725,75.965 AB1-C169.2@76.74,75.95 ; AB1-C216.2@77.64,71.9 77.64,72.29 v1(77.7,72.35) ; AB1-C202.2@77.64,76.925 77.64,77.34 v1(77.7,77.4) ; AB1-C192.2@77.665,72.925 77.665,73.39 v1(77.675,73.4) ; AB1-C163.2@77.665,78.95 77.725,79.01 v1(77.725,79.375) ; v1(77.675,76.4) 77.84,76.235 AB1-C150.2@77.84,75.95 ; v1(77.7,82.425) 77.7,81.94 AB1-C208.2@77.715,81.925 ; v1(77.725,75.325) 77.74,75.31 AB1-C205.2@77.74,74.9 ; AB1-C217.2@78.665,71.95 78.665,72.34 v1(78.729,72.404) ; AB1-C170.2@78.665,76.925 78.7,76.96 v1(78.7,77.45) ; AB1-C174.2@78.69,72.95 78.69,73.44 v1(78.704,73.454) ; AB1-C141.2@78.69,78.95 78.69,79.415 v1(78.7,79.425) ; v1(78.7,82.375) 78.91,82.165 AB1-C162.2@79.175,82.165 ; v1(78.725,75.475) 78.815,75.385 AB1-C186.2@78.815,75 ; v1(78.75,81.45) 78.86,81.34 AB1-C198.2@78.86,80.925 ; AB1-C199.2@79.665,80.95 79.665,81.415 v1(79.75,81.5) ; v1(79.704,73.379) 79.715,73.367 AB1-C218.2@79.715,72.95 ; v1(79.704,79.379) 79.715,79.368 AB1-C148.2@79.715,78.95 ; AB1-C104.2@79.715,73.975 79.715,74.44 v1(79.75,74.475) ; v1(80.679,73.504) 80.679,73.161 AB1-C221.2@80.865,72.975 ; v1(80.7,79.45) 80.7,79.04 AB1-C122.2@80.765,78.975 ; v1(80.7,80.4) 80.7,79.99 AB1-C113.2@80.715,79.975 ; v1(80.7,81.35) 80.7,80.94 AB1-C115.2@80.715,80.925 ; AB1-C175.2@80.765,74.95 80.775,74.96 v1(80.775,75.4) ; v1(81.65,78.4) 81.7,78.35 81.7,78.065 AB1-C161.2@81.79,77.975 ; v1(81.675,75.425) 81.725,75.375 81.725,75.04 AB1-C215.2@81.79,74.975 ; v1(81.675,81.425) 81.69,81.44 AB1-C138.2@81.69,81.9 ; v1(81.675,82.4) 81.69,82.415 AB1-C140.2@81.69,82.9 ; v1(81.7,76.4) 81.7,75.99 AB1-C105.2@81.765,75.925 ; v1(81.725,77.475) 81.725,77.015 AB1-C190.2@81.765,76.975 ; AB1-C219.2@82.2,72.435 82.69,72.435 v1(82.725,72.4) ; AB1-C158.2@82.225,71.36 82.29,71.425 v1(82.725,71.425) ; v1(82.675,83.425) 82.675,83.411 82.996,83.09 AB1-C147.2@83.175,83.09 ; v1(82.7,73.4) 82.7,73.161 83.021,72.84 AB1-C103.2@83.2,72.84 ; v1(82.725,75.4) 82.84,75.285 AB1-C193.2@83.2,75.285 ; v1(82.725,78.425) 83.065,78.085 AB1-C123.2@83.065,77.925 ; v1(82.75,79.425) 83.015,79.16 AB1-C125.2@83.015,78.9 ; AB1-C149.2@83.225,71.335 83.315,71.425 v1(83.7,71.425) 84.04,71.765 AB1-C102.2@84.2,71.765 ; AB1-C100.2@83.335,71.925 83.335,72.134 v1(83.679,72.479) ; v1@83.7,82.361 v1(83.7,82.4) ; v1(83.704,79.429) 83.848,79.285 AB1-C129.2@84.2,79.285 ; v1(83.725,73.425) 83.865,73.285 AB1-C226.2@84.2,73.285 ; v1(83.725,75.4) 84.115,75.01 AB1-C196.2@84.115,74.95 ; v1(83.725,81.375) 83.91,81.19 AB1-C137.2@83.91,80.925 ; v1(83.75,76.475) 84.19,76.035 AB1-C220.2@84.19,75.95 ; AB1-C99.2@84.46,73.975 84.46,74.159 v1(84.729,74.429) 84.943,74.215 AB1-C228.2@85.2,74.215 ; v1(84.7,83.425) 84.7,83.04 AB1-C112.2@84.815,82.925 ; v1(84.725,78.475) 84.8,78.4 84.8,78.035 AB1-C135.2@84.86,77.975 ; v1(84.75,82.425) 85.1,82.075 AB1-C114.2@85.14,82.075 ; v1(84.8,73.425) 84.805,73.425 85.12,73.11 AB1-C101.2@85.225,73.11 ; AB1-C127.2@85.2,79.185 85.033,79.185 84.789,79.429 v1(84.704,79.429) 84.965,79.69 AB1-C116.2@85.225,79.69 ; v1(85.675,75.475) 85.765,75.385 AB1-C180.2@86.225,75.385 ; v1(85.7,73.4) 86.2,72.9 AB1-C225.2@86.2,72.735 ; v1(85.7,74.45) 86.175,73.975 AB1-C229.2@86.19,73.975 ; v1(85.725,79.35) 86.075,79 AB1-C124.2@86.14,79 ; v1(85.725,80.45) 85.975,80.45 86.26,80.165 AB1-C159.2@86.26,79.975 ; v1(85.725,81.4) 85.725,81.286 86.021,80.99 AB1-C146.2@86.2,80.99 ; v1(85.754,78.404) 85.771,78.404 86.175,78 AB1-C128.2@86.175,77.91 ; v1(86.675,77.4) 86.74,77.4 AB1-C110.2@87.29,77.95 ; v1(86.7,72.4) 87.15,71.95 AB1-C187.2@87.39,71.95 ; v1(86.725,76.475) 87.175,76.925 AB1-C181.2@87.29,76.925 ; v1(86.725,79.475) 86.725,79.539 87.021,79.835 AB1-C126.2@87.2,79.835 ; v1(86.725,80.425) 87.25,80.95 AB1-C111.2@87.265,80.95 ; v1(86.725,81.425) 87.215,81.915 AB1-C139.2@87.215,81.95 ; v1(86.733,73.4) 87.233,72.9 AB1-C227.2@87.39,72.9 ; AB1-C194.2@87.365,74.925 87.365,75.115 v1(87.65,75.4) ; AB1-C176.2@87.39,75.925 87.39,76.14 v1(87.675,76.425) ; v1(87.733,80.4) 87.733,80.352 AB1-C136.2@88.2,79.885 ; AB1-C195.2@87.91,73.95 88.25,73.95 v1(88.7,74.4)
  16_Bottom w0.5: AB1-C178.2@63.825,97.13 65.695,97.13 AB1-C107.2@66.175,96.65 ; v1(65.7,95.4) 65.7,96.175 AB1-C107.2@66.175,96.65 ; v1(66.7,95.4) 66.7,96.125 AB1-C107.2@66.175,96.65 ; v1(66.7,98) 66.7,97.175 AB1-C107.2@66.175,96.65 ; v1(68.9,97.7) AB1-C145.2@68.9,98.925 ; v1(68.9,100.2) AB1-C145.2@68.9,98.925 ; AB1-C189.2@71.46,99.975 69.95,99.975 AB1-C145.2@68.9,98.925 ; v2(71.5,53) 70.225,53 AB1-C179.2@69.85,53.375 ; v2(71.525,52.1) 71.525,51.1 AB1-C156.2@70.9,50.475 ; AB1-C133.2@72.194,94.464 72.258,94.4 v1(73.7,94.4) v1(73.7,93.4) ; v2(72.4,53) 72.4,54.8 72.175,55.025 69.85,55.025 AB1-C179.2@69.85,53.375 ; v1(72.7,87.4) 72.7,88.125 AB1-C121.2@73.1,88.525 73.7,87.925 v1(73.7,87.4) ; AB1-C167.2@73,50.475 AB1-C156.2@70.9,50.475 ; AB1-C167.2@73.3,50.75 v2(73.3,52.1) ; v1(77.2,99.8) 77.2,98.725 AB1-C168.2@77.3,98.625 ; v1(77.9,97.4) 77.9,98.025 AB1-C168.2@77.3,98.625 ; v1(77.9,99.8) 77.9,99.225 AB1-C168.2@77.3,98.625 ; v1(78.9,97.4) 78.9,97.925 AB1-C157.2@79.6,98.625 ; v1(79.1,99.8) 79.1,99.125 AB1-C157.2@79.6,98.625 ; v1(81.6,102.1) 81.6,101.475 AB1-C120.2@82.15,100.925 ; v1(81.7,99.7) 81.7,100.475 AB1-C120.2@82.15,100.925 ; v1(82.3,102.1) 82.3,101.075 AB1-C120.2@82.15,100.925 ; v1(85.8,102.5) 86.575,102.5 AB1-C132.2@87.1,103.025 ; v1(85.8,103.3) 86.825,103.3 AB1-C132.2@87.1,103.025 ; AB1-C188.2@87.095,100.44 87.1,100.445 AB1-C132.2@87.1,103.025 ; v1(88.3,102.5) 87.625,102.5 AB1-C132.2@87.1,103.025 ; v1(88.3,103.3) 87.375,103.3 AB1-C132.2@87.1,103.025 ; AB1-C179.2@69.85,53.375 69.85,51.525 AB1-C156.2@70.9,50.475 ; AB1-C168.2@77.3,98.625 AB1-C157.2@79.6,98.625
  other v2: 72.4,52.075 73.325,52.95 137.63,70.35 141.33,70.37 136.56,70.39 138.79,70.4 140.1,70.4 136.49,71.57 137.58,71.55 138.82,71.575 140.09,71.575 141.36,71.575 137.59,72.8 136.51,72.82 138.82,72.845 140.09,72.845 141.36,72.845 136.44,74.05 137.55,74.1 138.82,74.115 140.09,74.115 141.36,74.115 138.82,75.385 140.09,75.385 141.36,75.385 136.22,76.31 137.52,76.3 137.59,78.08 136.24,78.12 136.28,79.77 137.56,79.78 137.6,81.37 136.33,81.39 136.36,82.96 137.58,82.99 138.82,83.005 140.09,83.005 141.36,83.005 136.32,84.23 137.6,84.24 138.82,84.275 140.09,84.275 136.31,85.5 137.59,85.54 138.82,85.545 140.09,85.545 137.51,86.81 138.82,86.815 140.09,86.815 136.32,86.85 140.11,87.92 141.33,87.93 138.78,87.95
DATA: AB8-D6.F18 AB21-D14.37 AB21-R119.1 | length 168.7
  1_Top w0.15: v1(79.694,91.439) AB8-D6.F18@80.194,90.939
  1_Top w0.17: AB21-R119.1@16.75,33.65 17.302,33.65 v3(17.461,33.49) 17.827,33.125 AB21-D14.37@18.212,33.125
  7_int6_(sign) w0.1: v3(17.461,33.49) 16.525,34.427 16.525,38.7 16.947,39.122 16.947,39.317 16.215,40.049 16.215,40.244 16.409,40.438 16.604,40.438 17.433,39.608 17.539,39.502 17.734,39.502 17.928,39.697 17.928,39.891 16.992,40.827 16.992,41.022 17.187,41.216 17.381,41.216 18.114,40.483 18.308,40.483 20.525,42.7 20.525,115.475 24.04,118.99 58.761,118.99 76.21,101.541 76.21,92.923 77.233,91.9 79.233,91.9 v1(79.694,91.439)
DDR4_BLK1.ADDR.A0: AB8-D6.AH2 AB14-XS3.144 AB15-XS4.144 | length 79.6
  1_Top w0.25: AB15-XS4.144@18.4,82.975 v1(19.602,82.975) ; v1(29.25,82.975) AB14-XS3.144@30.4,82.975 ; v1(63.675,68.425) 63.68,68.425 AB8-D6.AH2@64.194,68.939
  10_int9_(sign) w0.15: v1(19.602,82.975) 19.977,83.35 28.875,83.35 v1(29.25,82.975)
  12_int11_(sign) w0.15: v1(29.25,82.975) 29.25,83.025 29.5,83.275 29.725,83.275 29.875,83.425 29.875,84.309 30.025,84.459 30.325,84.459 30.475,84.309 30.475,82.241 30.625,82.091 30.925,82.091 31.075,82.241 31.075,84.309 31.225,84.459 31.525,84.459 31.675,84.309 31.675,82.942 31.825,82.792 32.125,82.792 32.275,82.942 32.275,84.309 32.425,84.459 32.725,84.459 32.875,84.309 32.875,82.241 33.025,82.091 33.325,82.091 33.475,82.241 33.475,84.309 33.625,84.459 33.925,84.459 34.075,84.309 34.075,82.241 34.225,82.091 34.525,82.091 34.675,82.241 34.675,84.309 34.825,84.459 35.125,84.459 35.275,84.309 35.275,82.241 35.425,82.091 35.725,82.091 35.875,82.241 35.875,84.309 36.025,84.459 36.325,84.459 36.475,84.309 36.475,82.931 36.625,82.781 36.925,82.781 37.075,82.931 37.075,83.125 37.225,83.275 50.4,83.275 56.55,77.125 58.45,77.125 60.025,75.55 60.025,72.95 61.95,71.025 61.95,69.469 62.531,68.888 63.212,68.888 v1(63.675,68.425)